# Altium PCB LimeSDR-X3_1v2.PcbDoc (part 1 of 25) (continued)
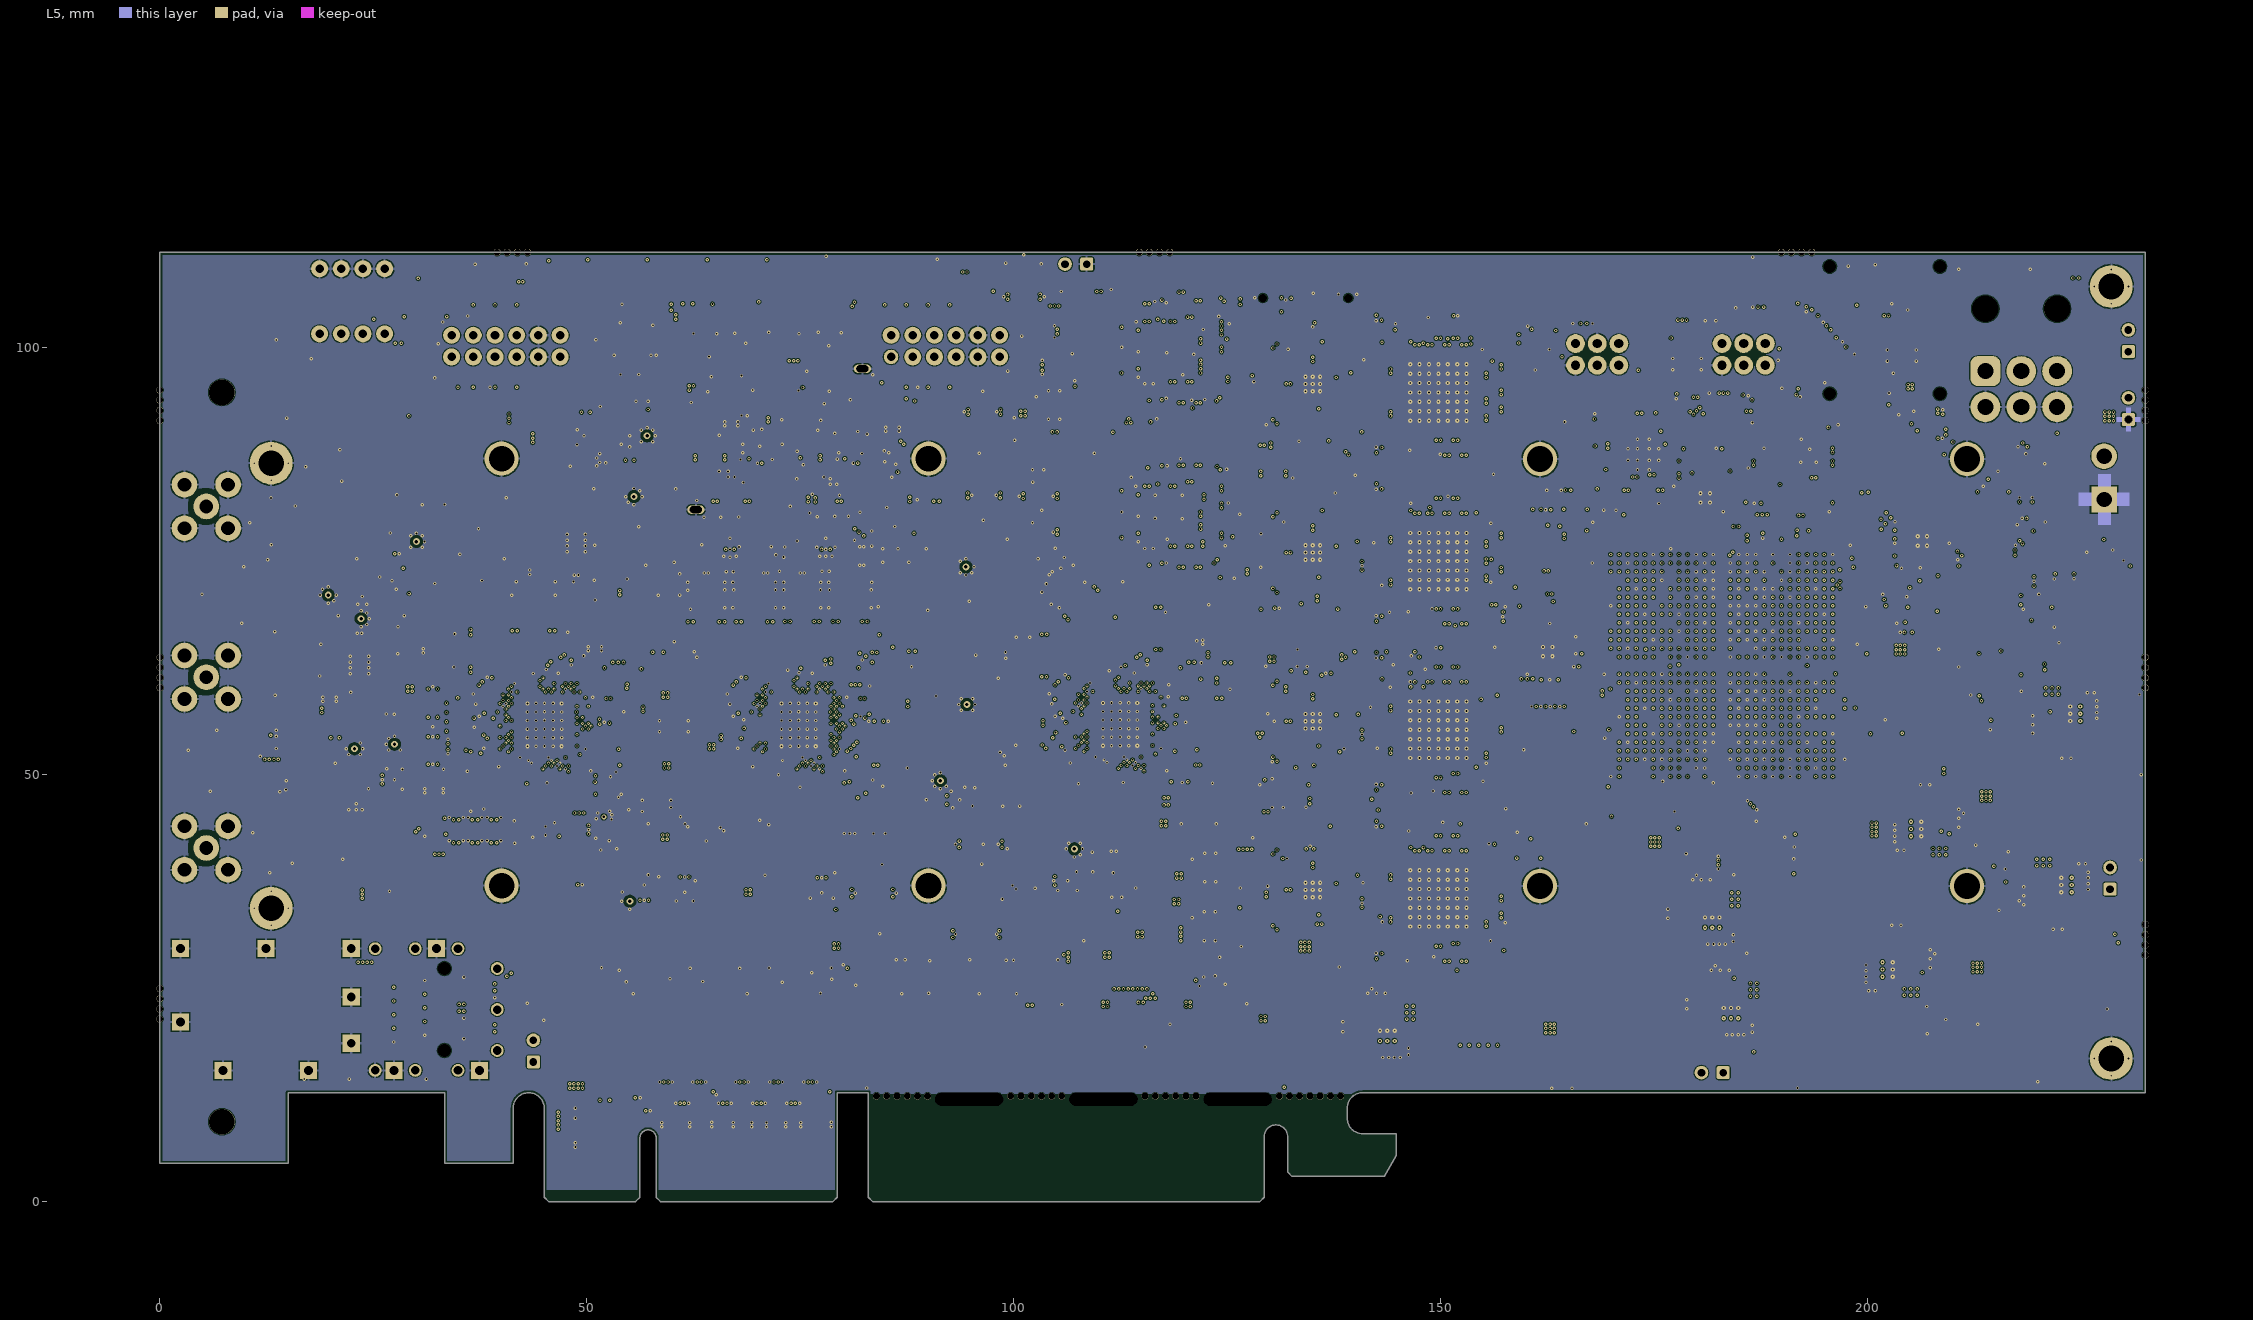
[diagram p5: L5]
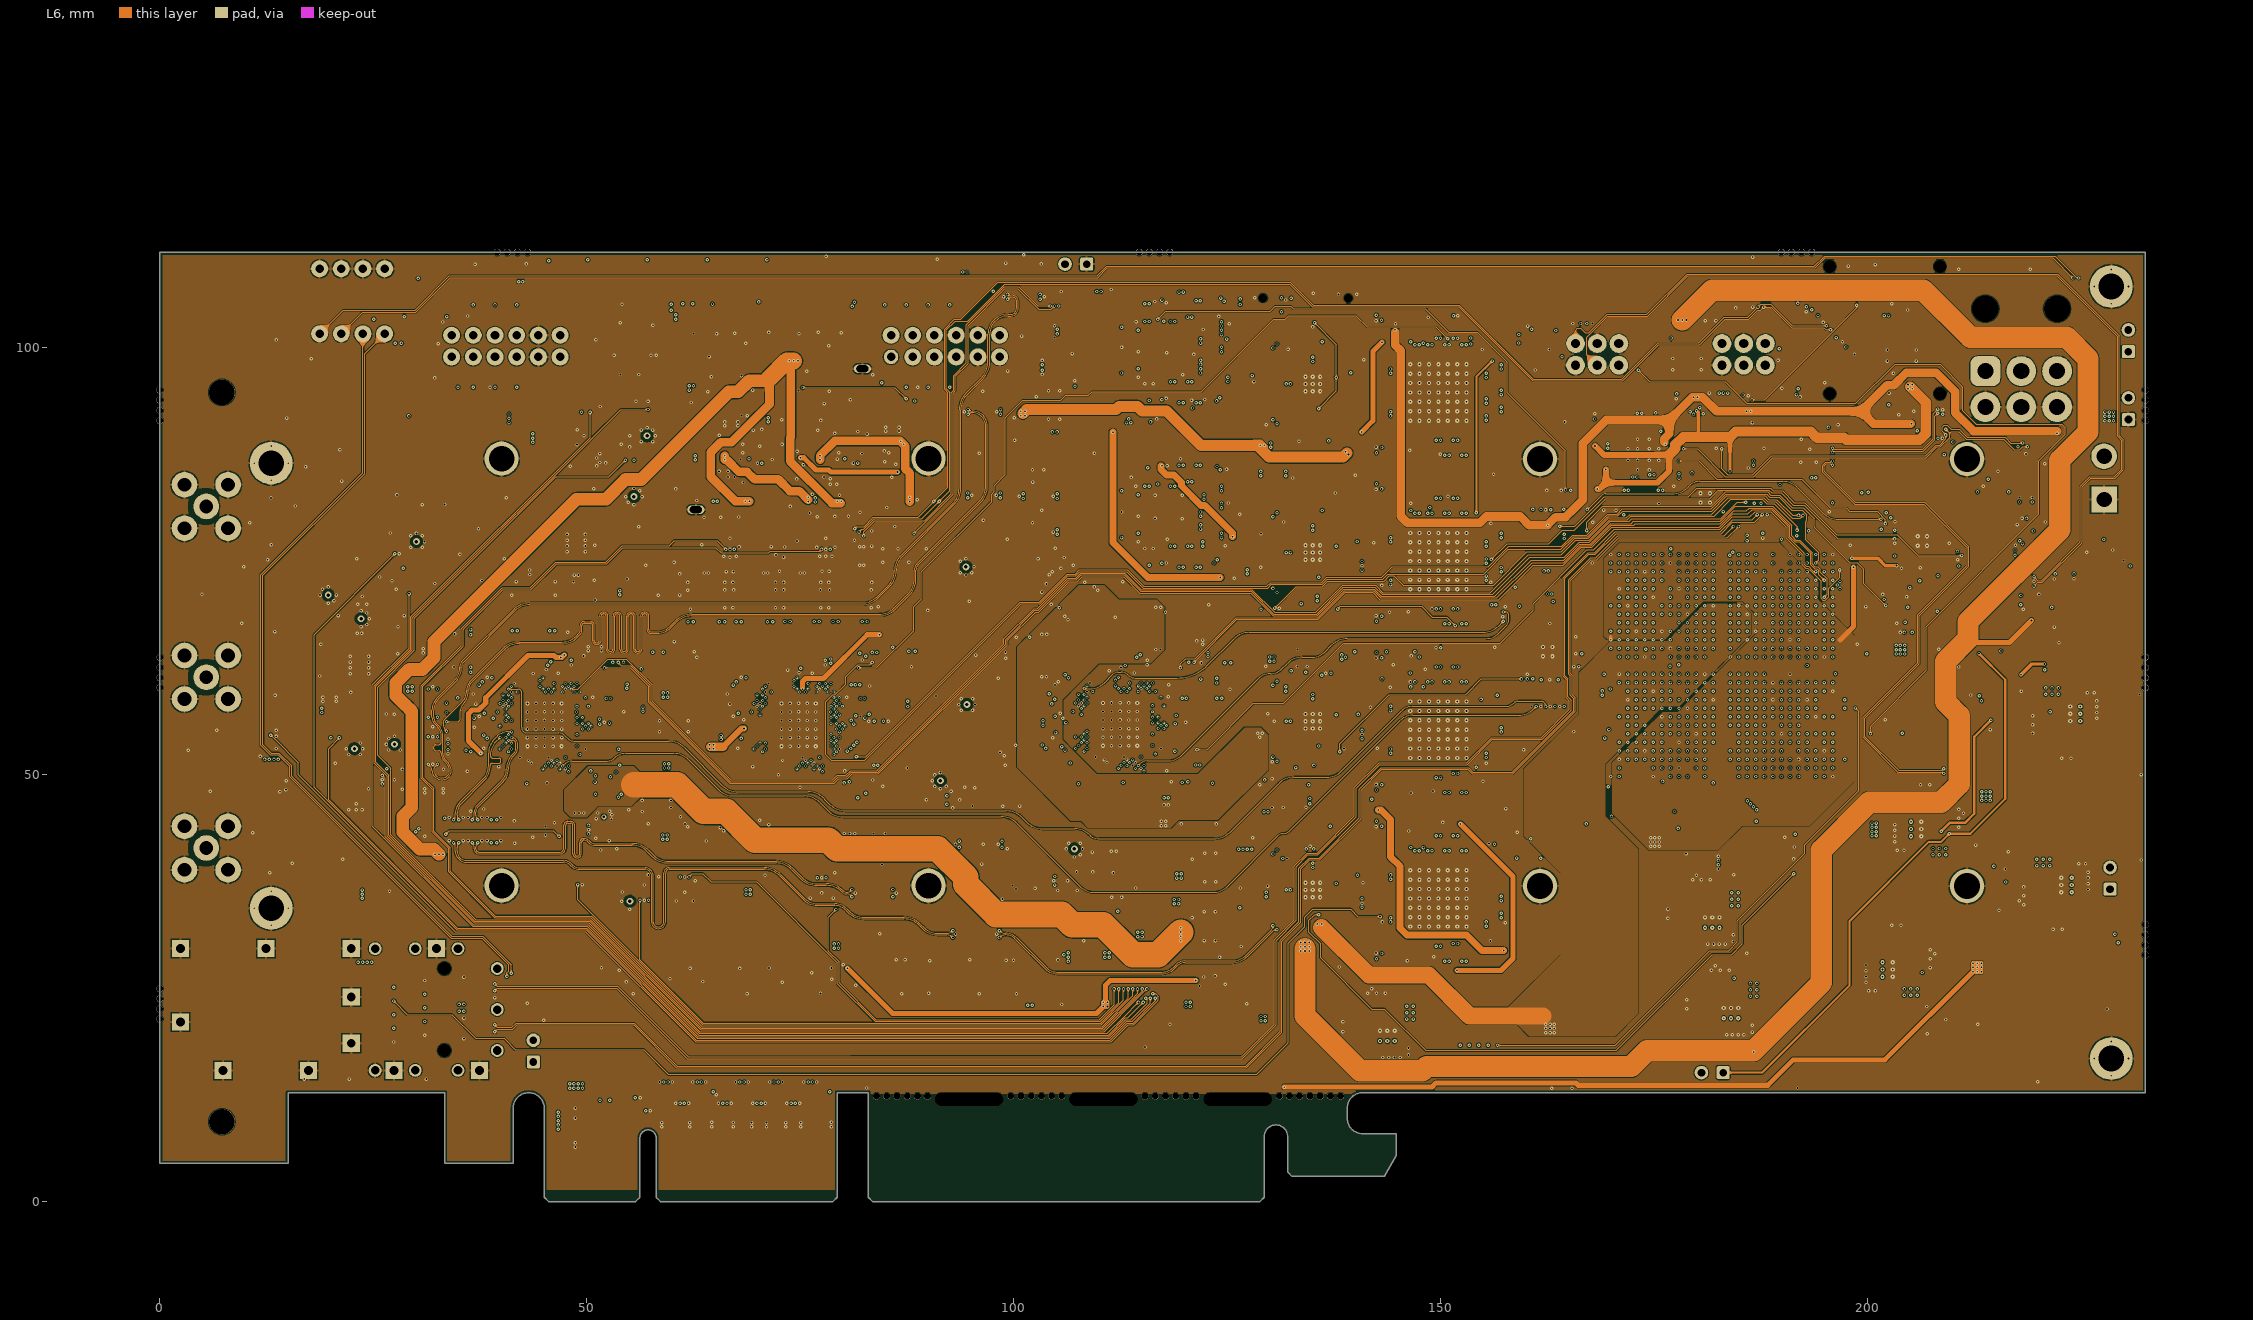
[diagram p6: L6]
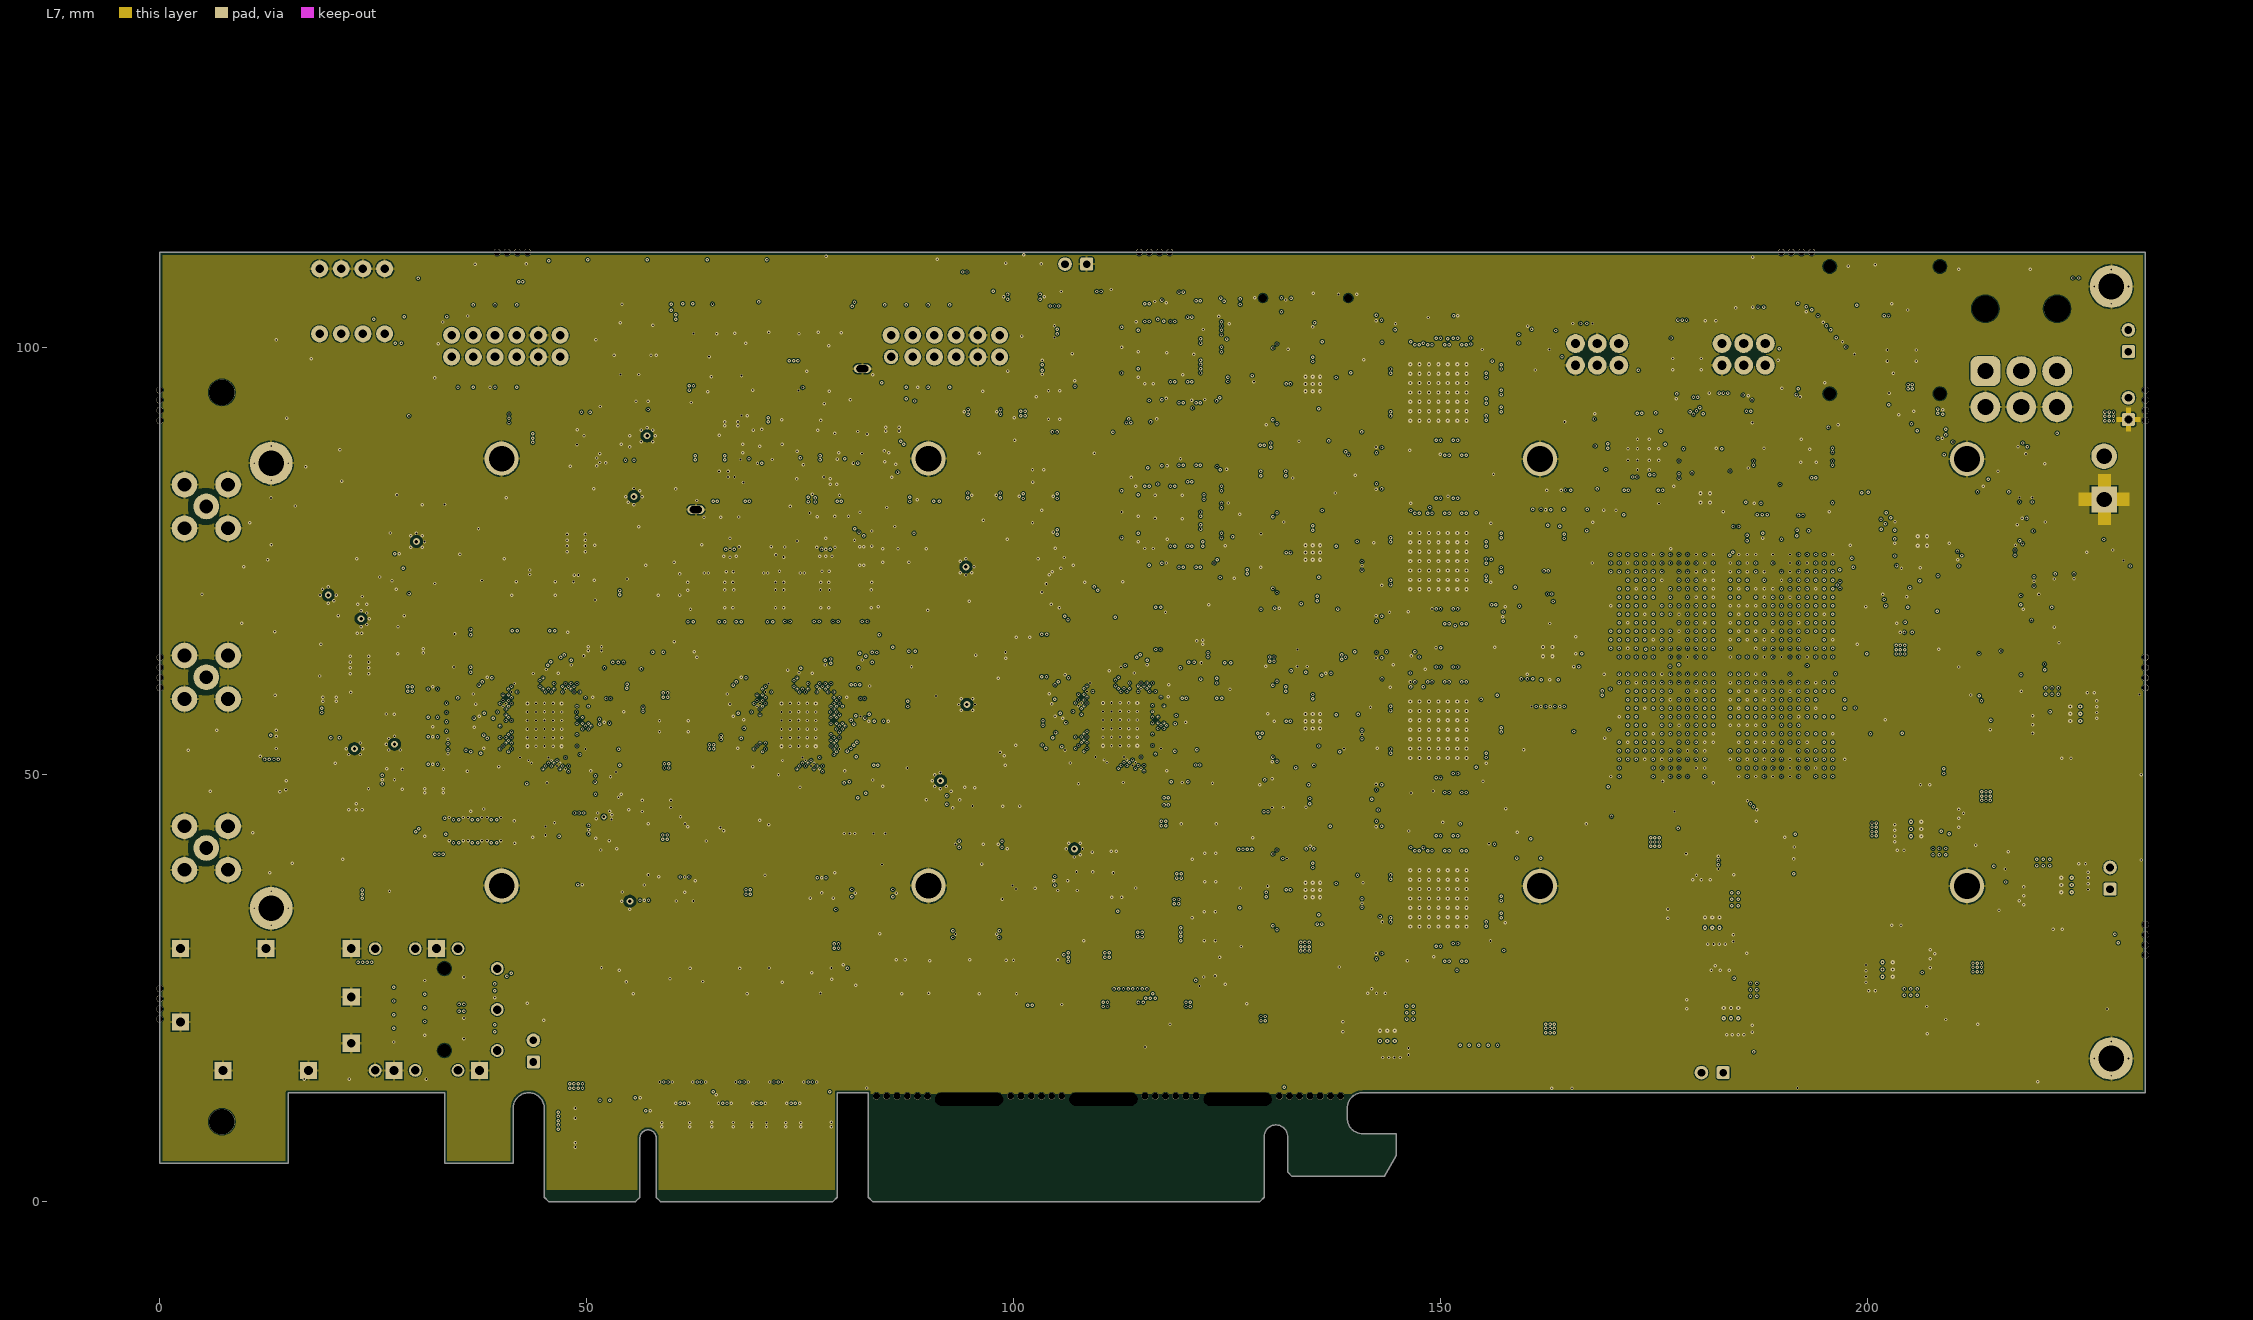
[diagram p7: L7]
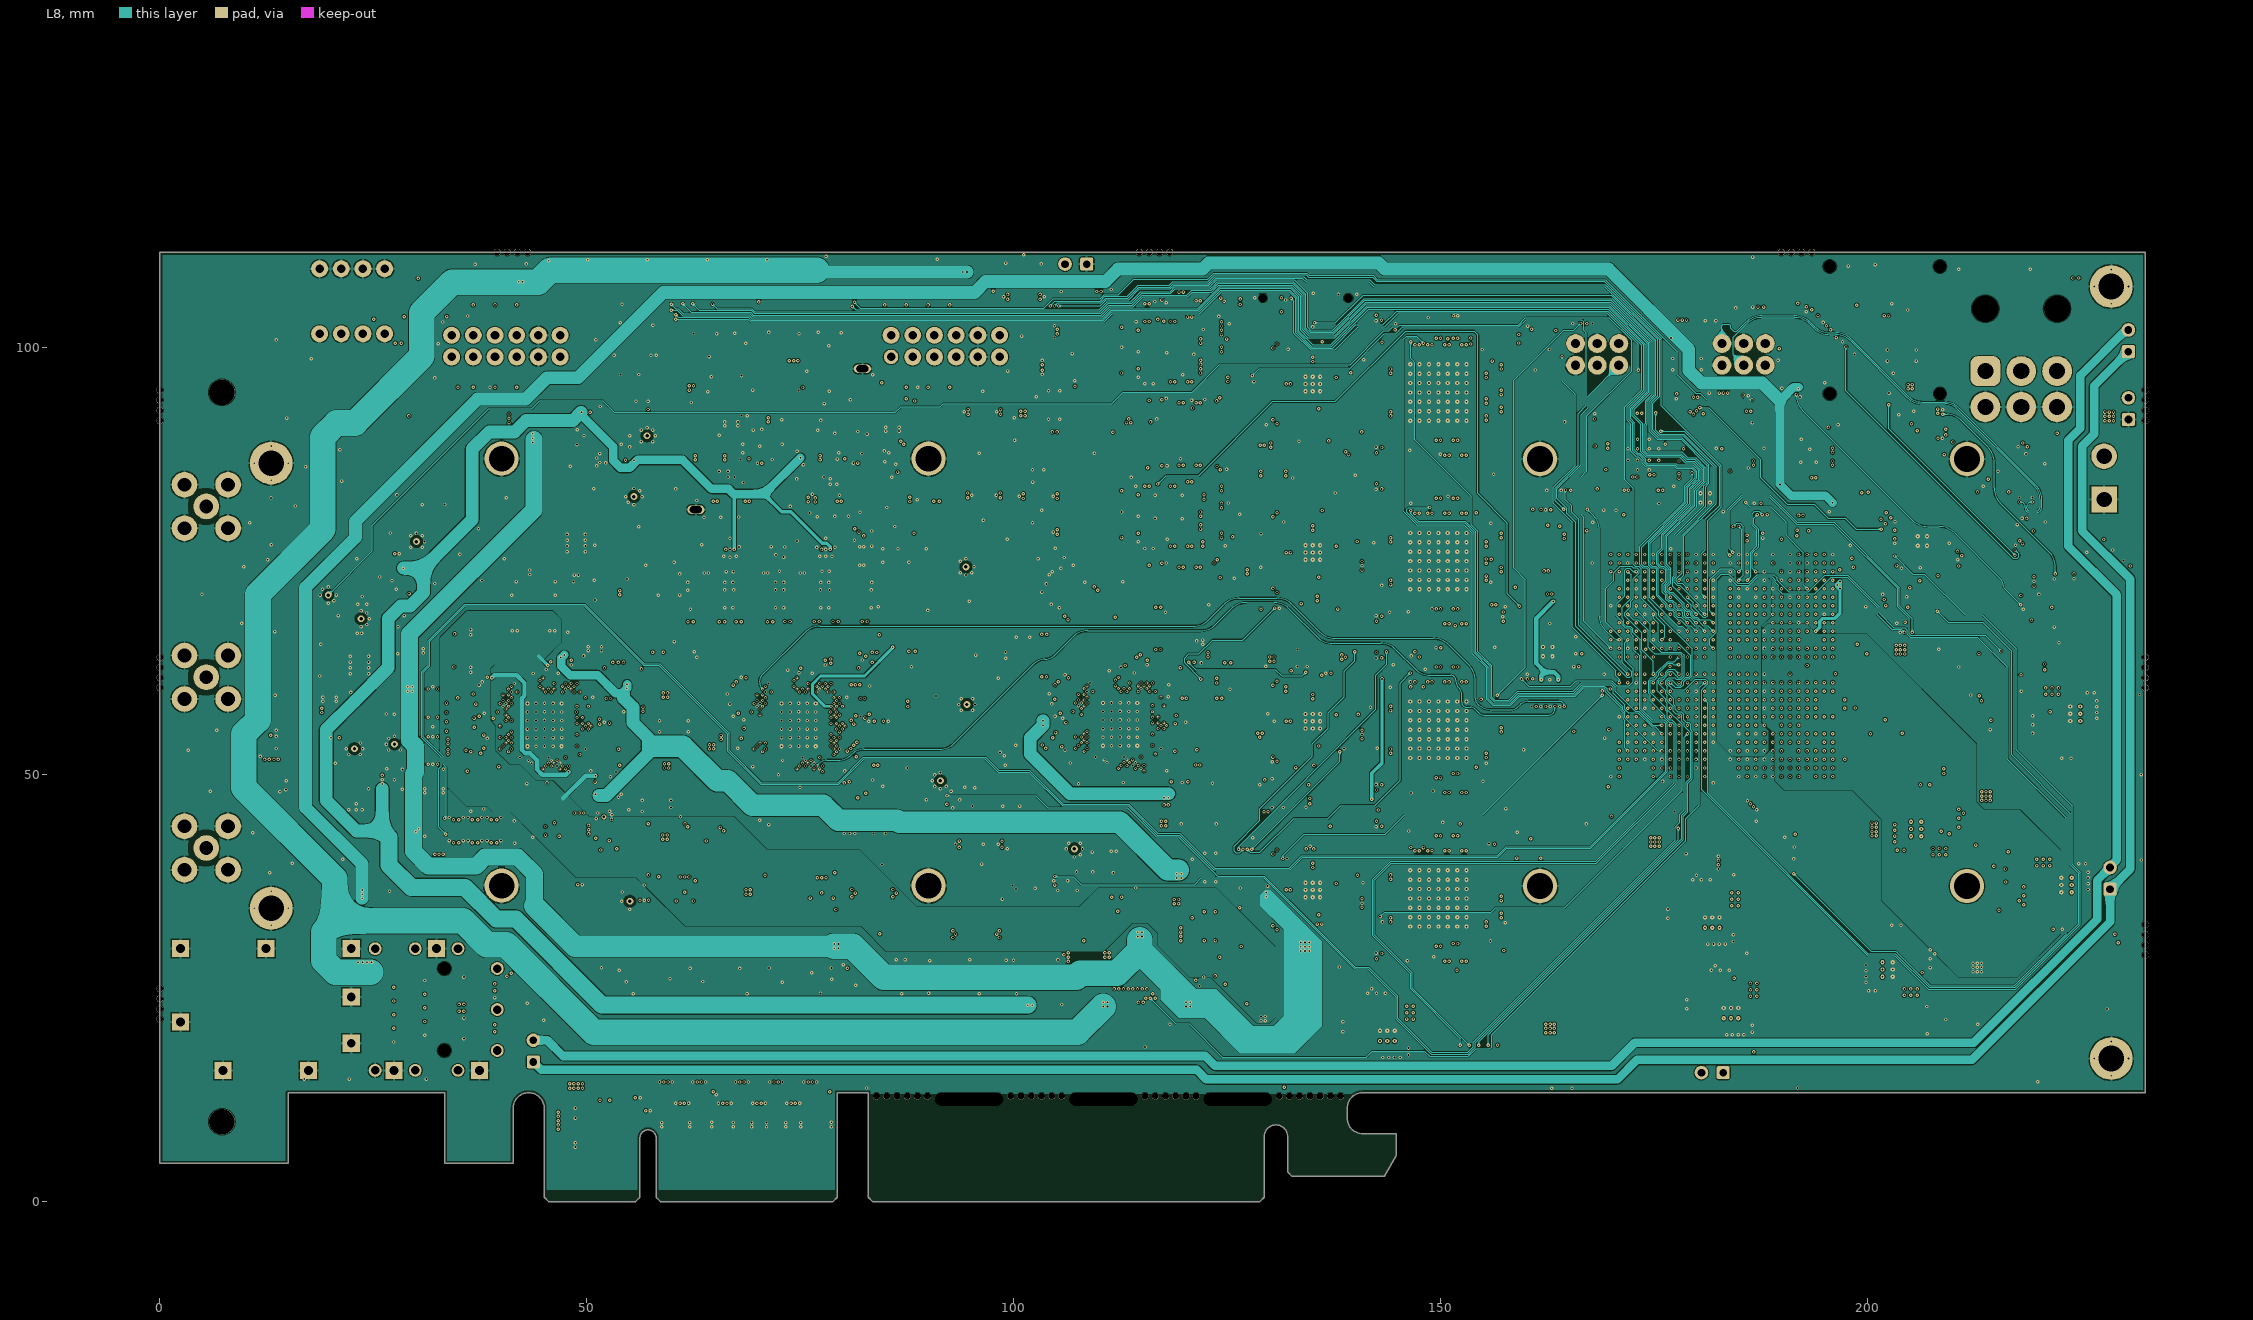
[diagram p8: L8]
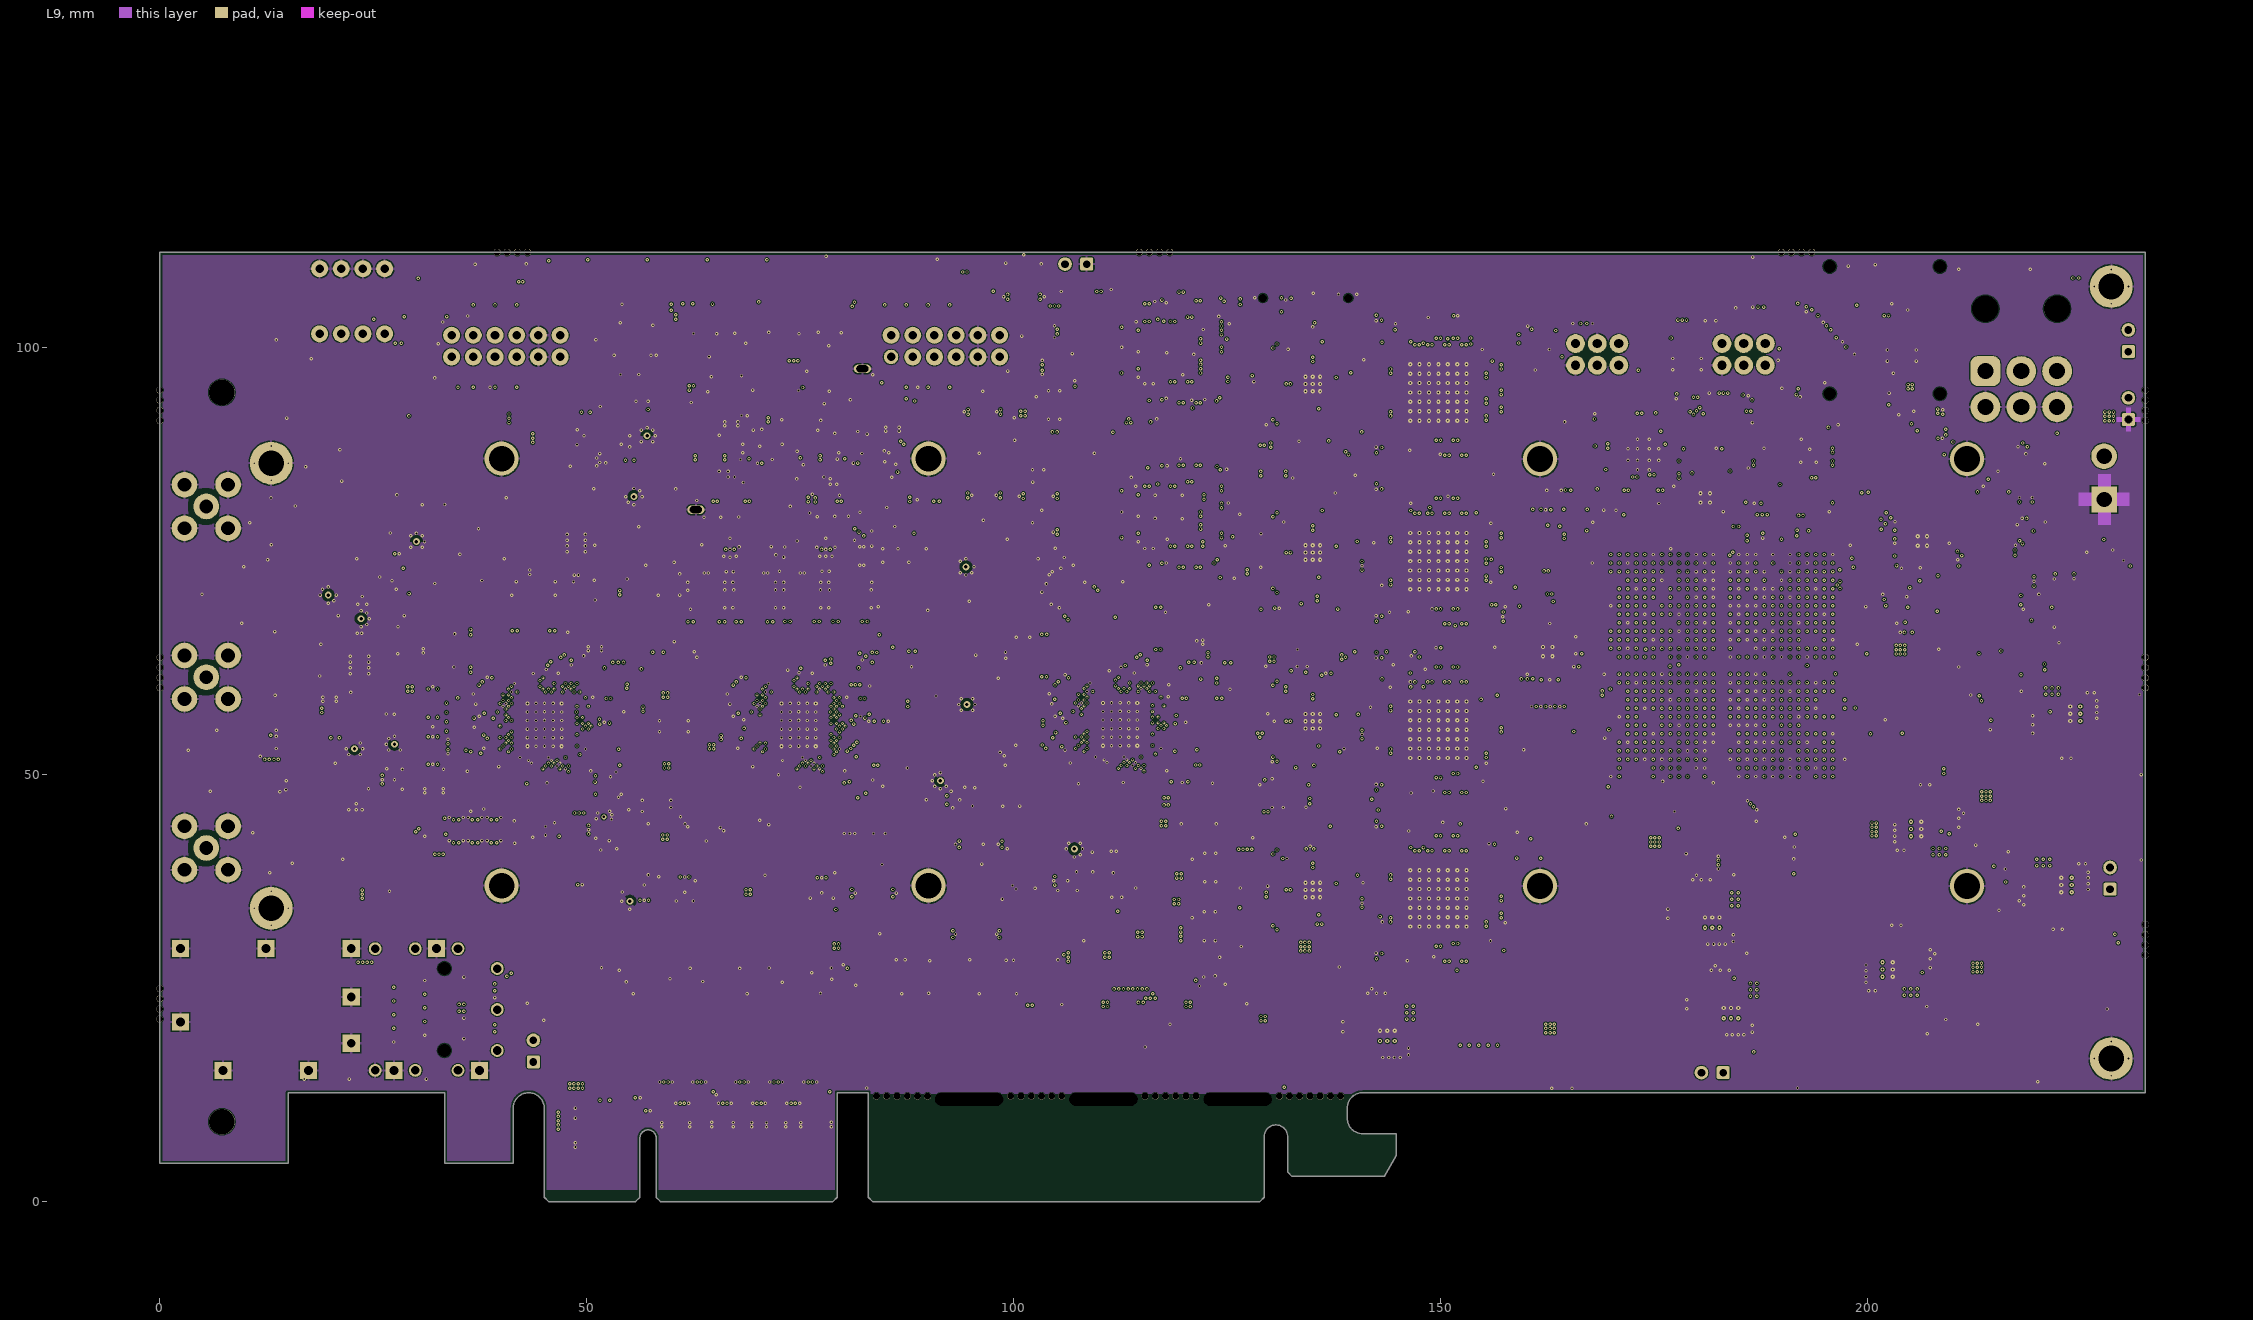
[diagram p9: L9]